# Altium PCB orbital-r1.PcbDoc (part 1 of 3)
Units mm, origin at the board's own origin, x right, y up, seen from the top; angles counter-clockwise.
Board outline 86.5 x 91 mm, 4 copper layers (Top Layer, Layer 1, Layer 2, Bottom Layer), stack 1.586 mm thick; 276 components, 177 nets, 792 pads, 856 vias.
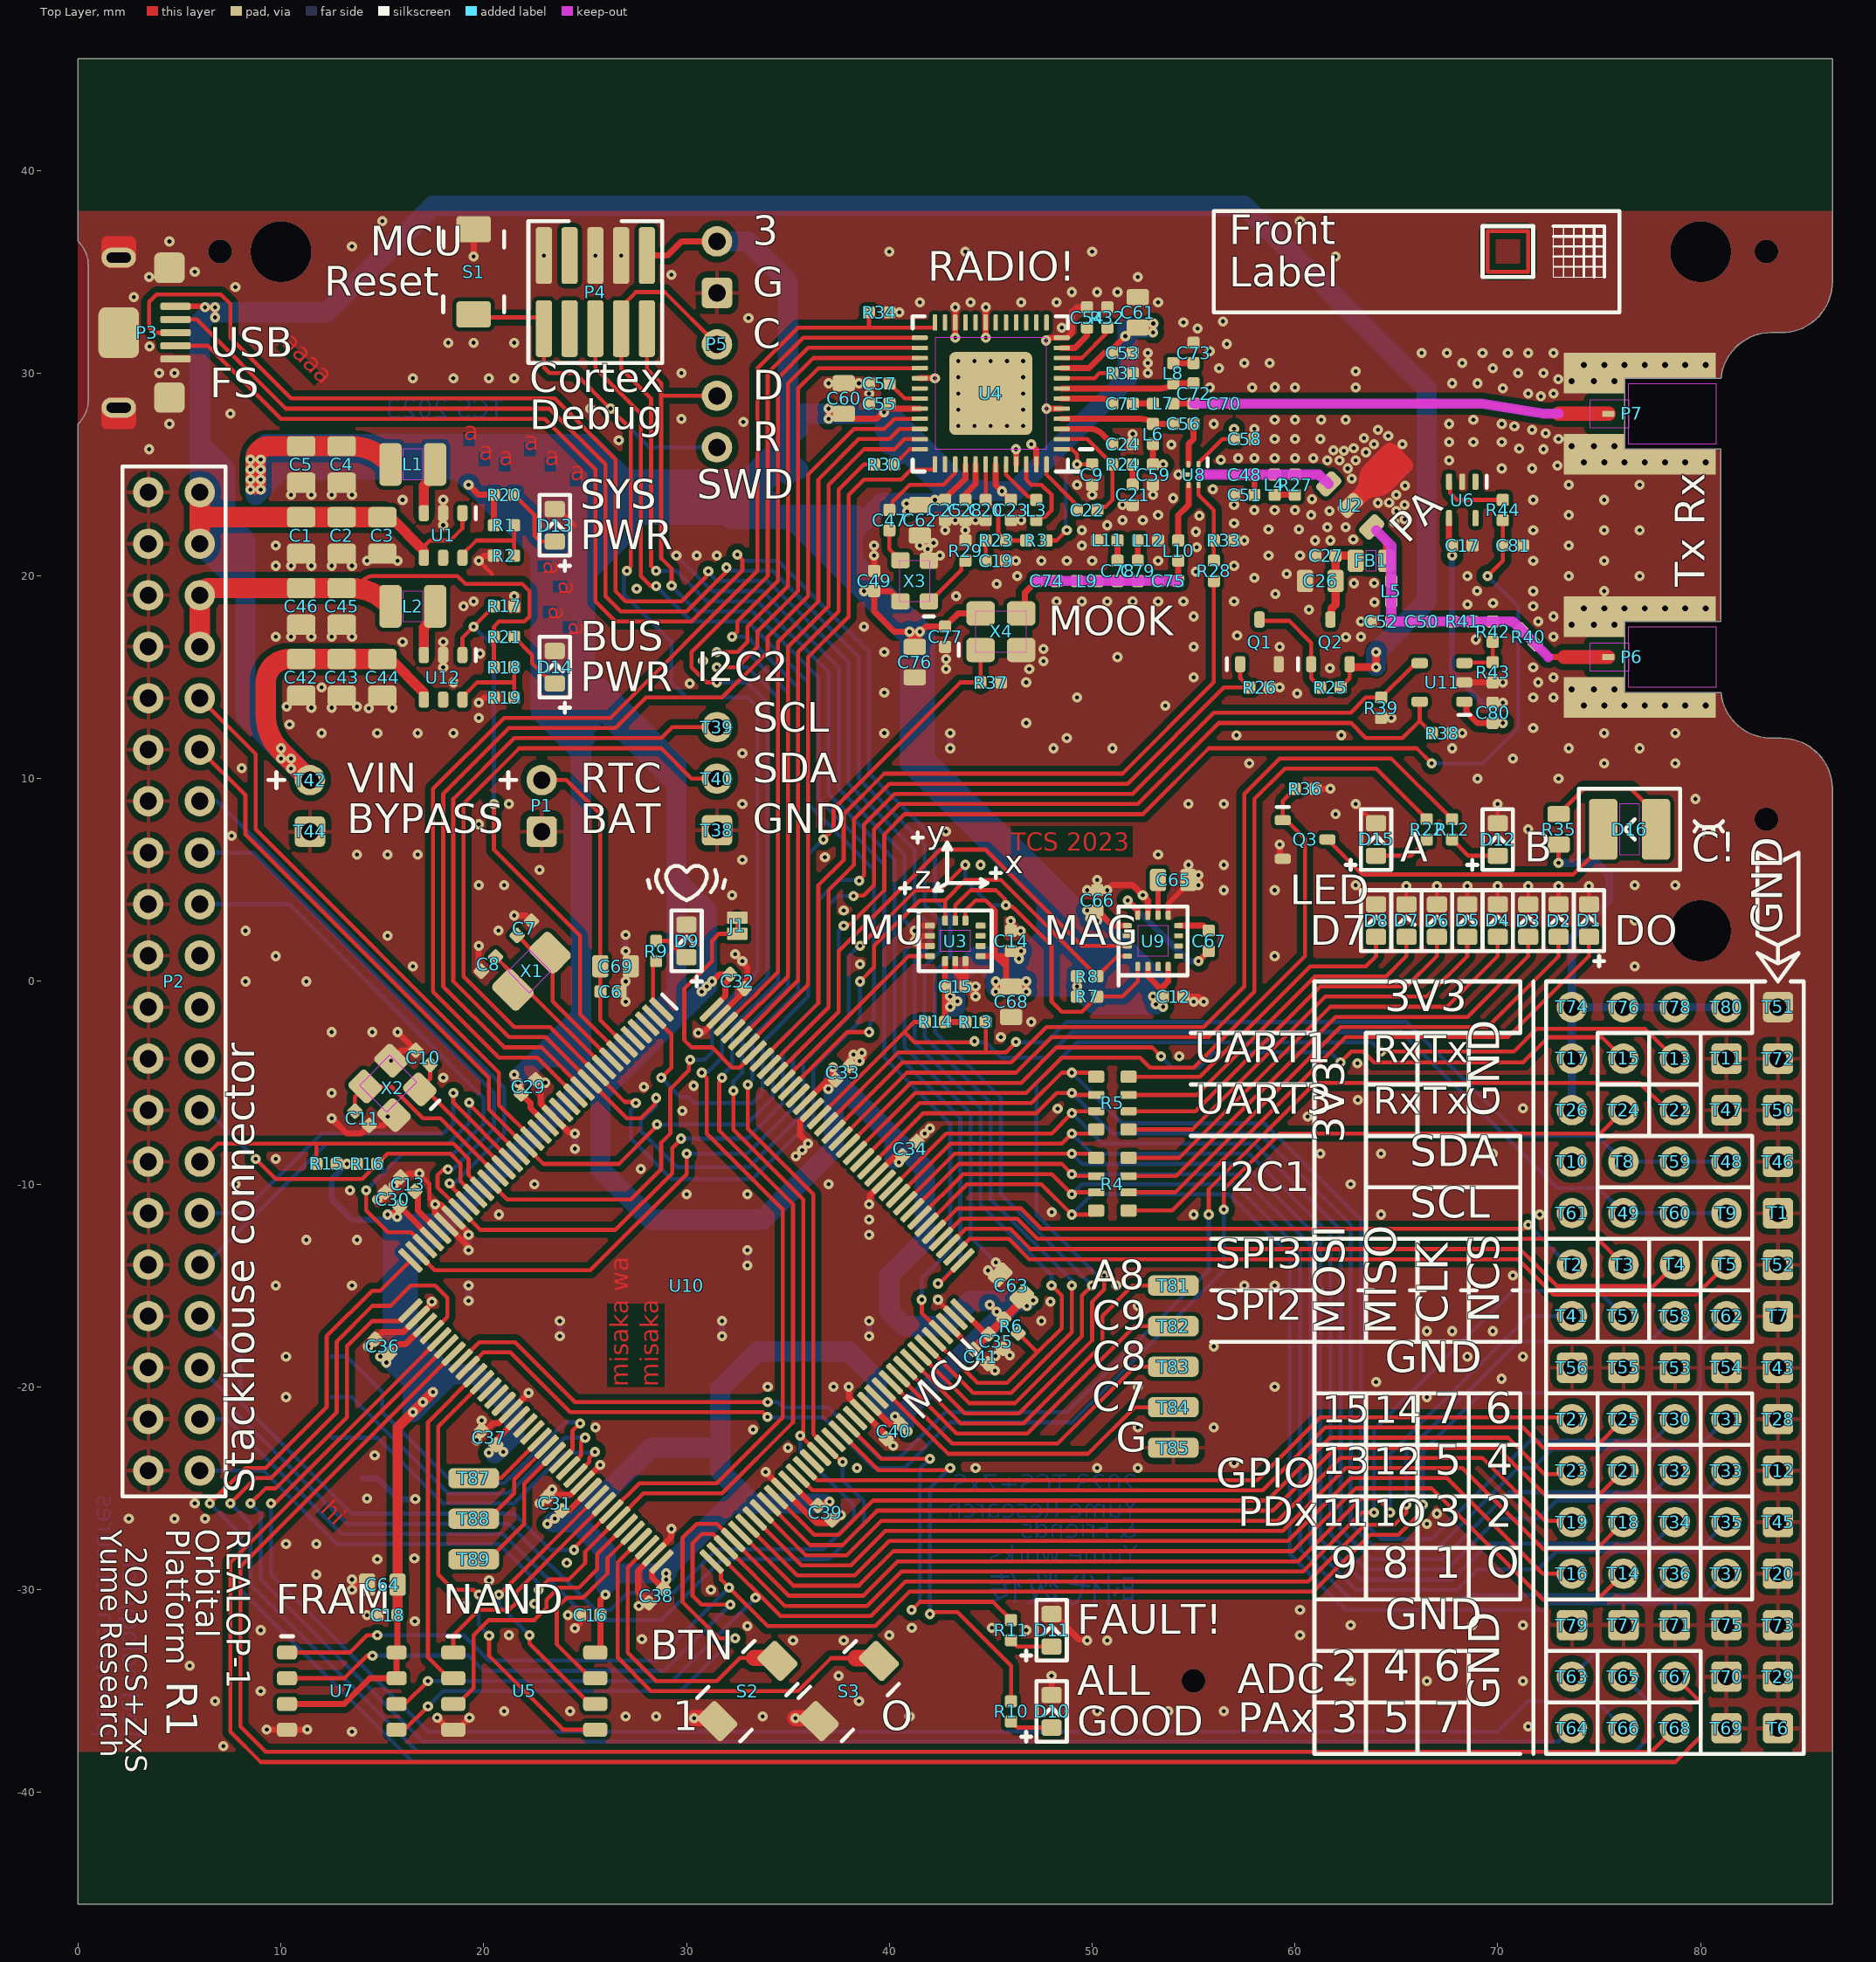
[diagram p0: Top Layer view]
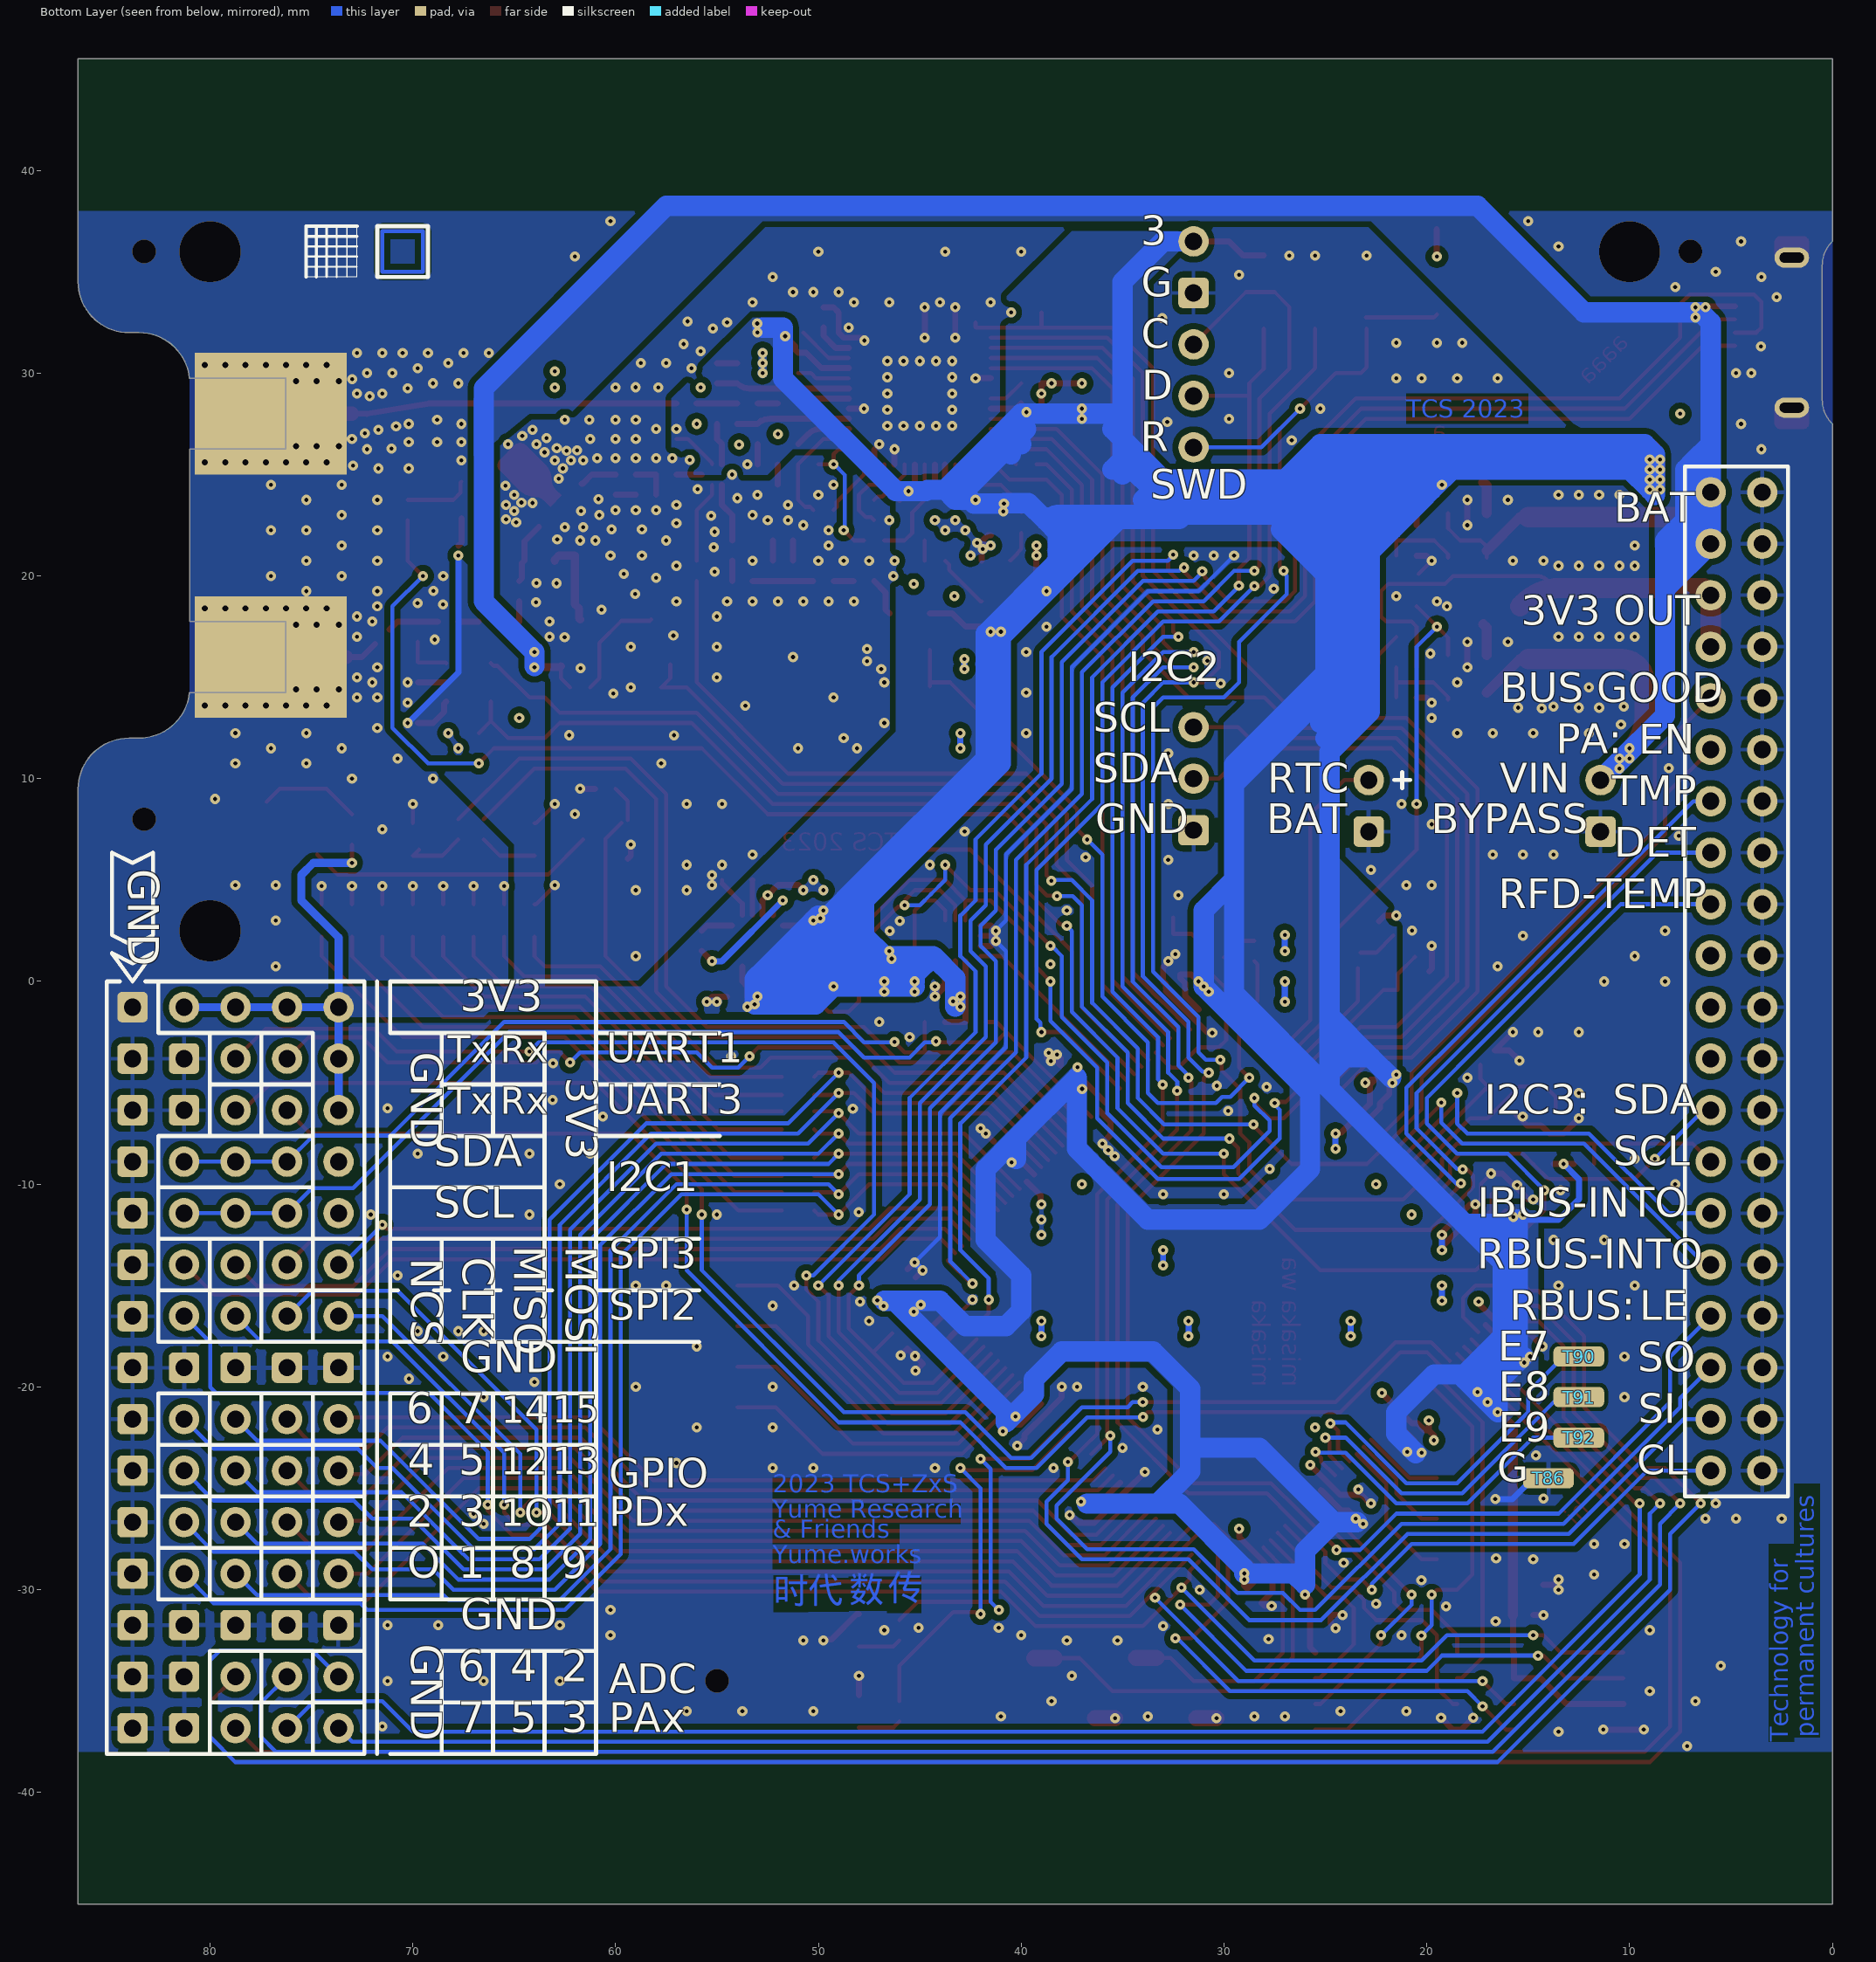
[diagram p1: Bottom Layer view, seen from below]
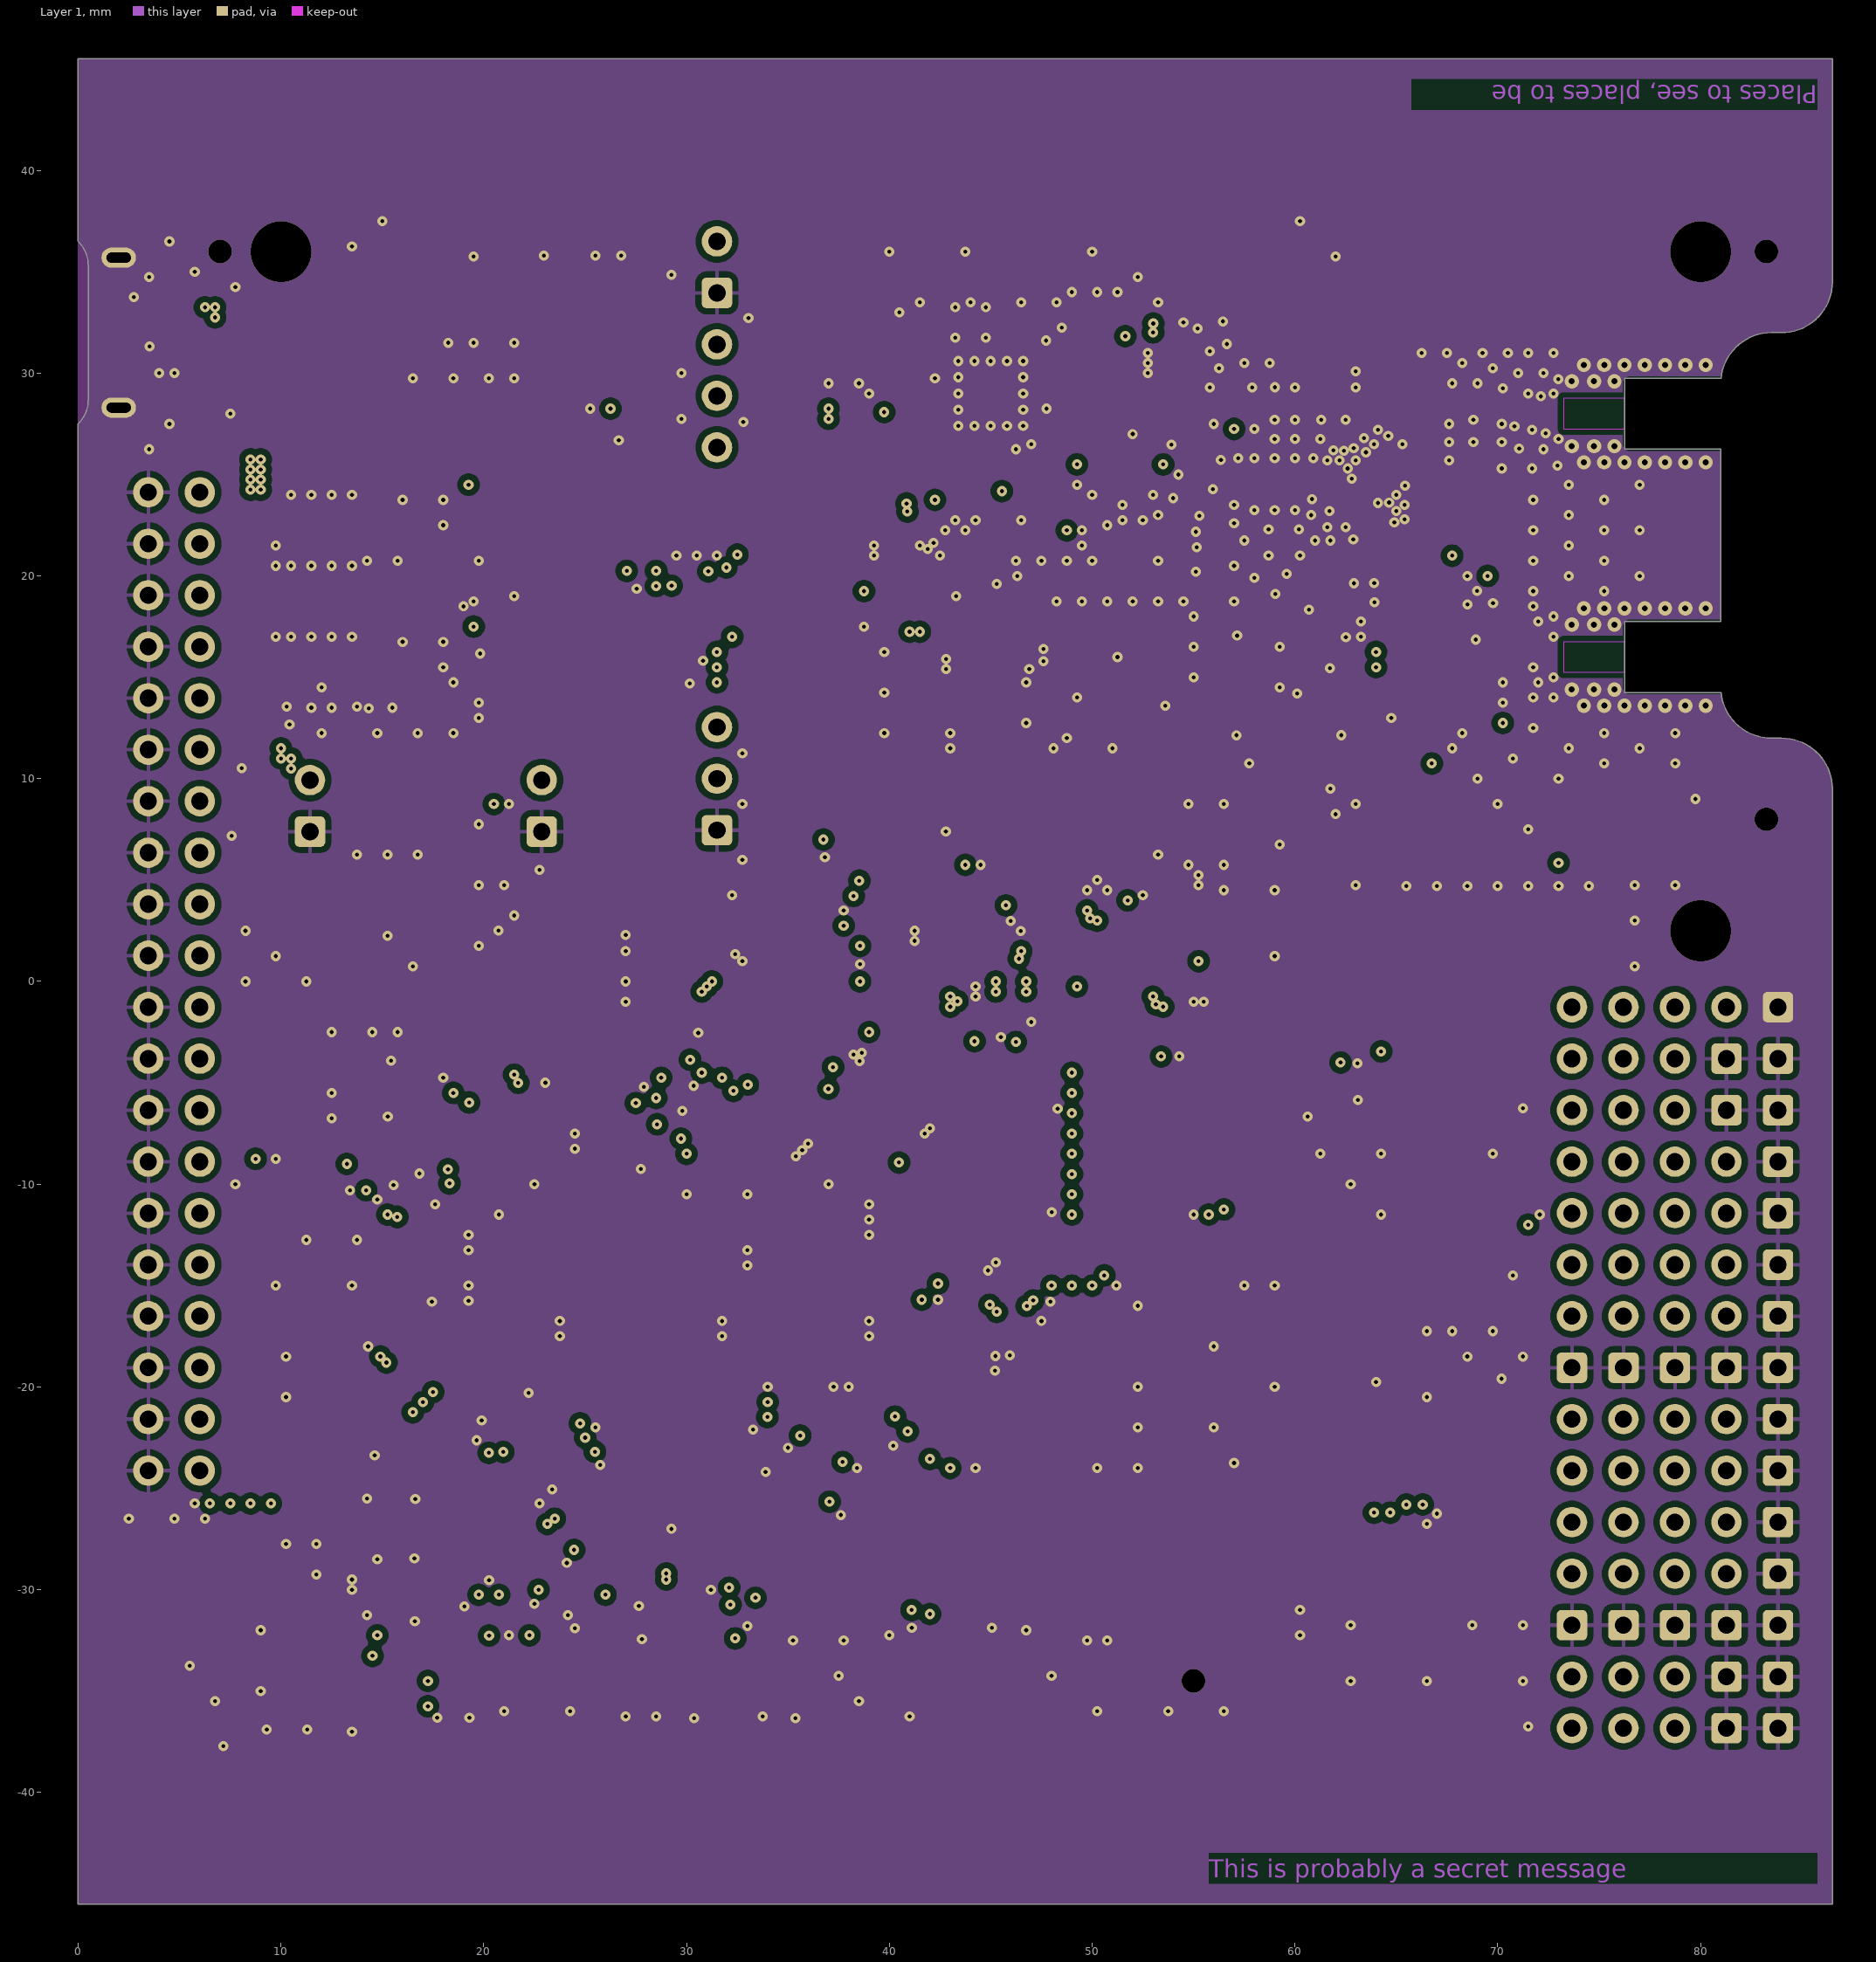
[diagram p2: Layer 1]
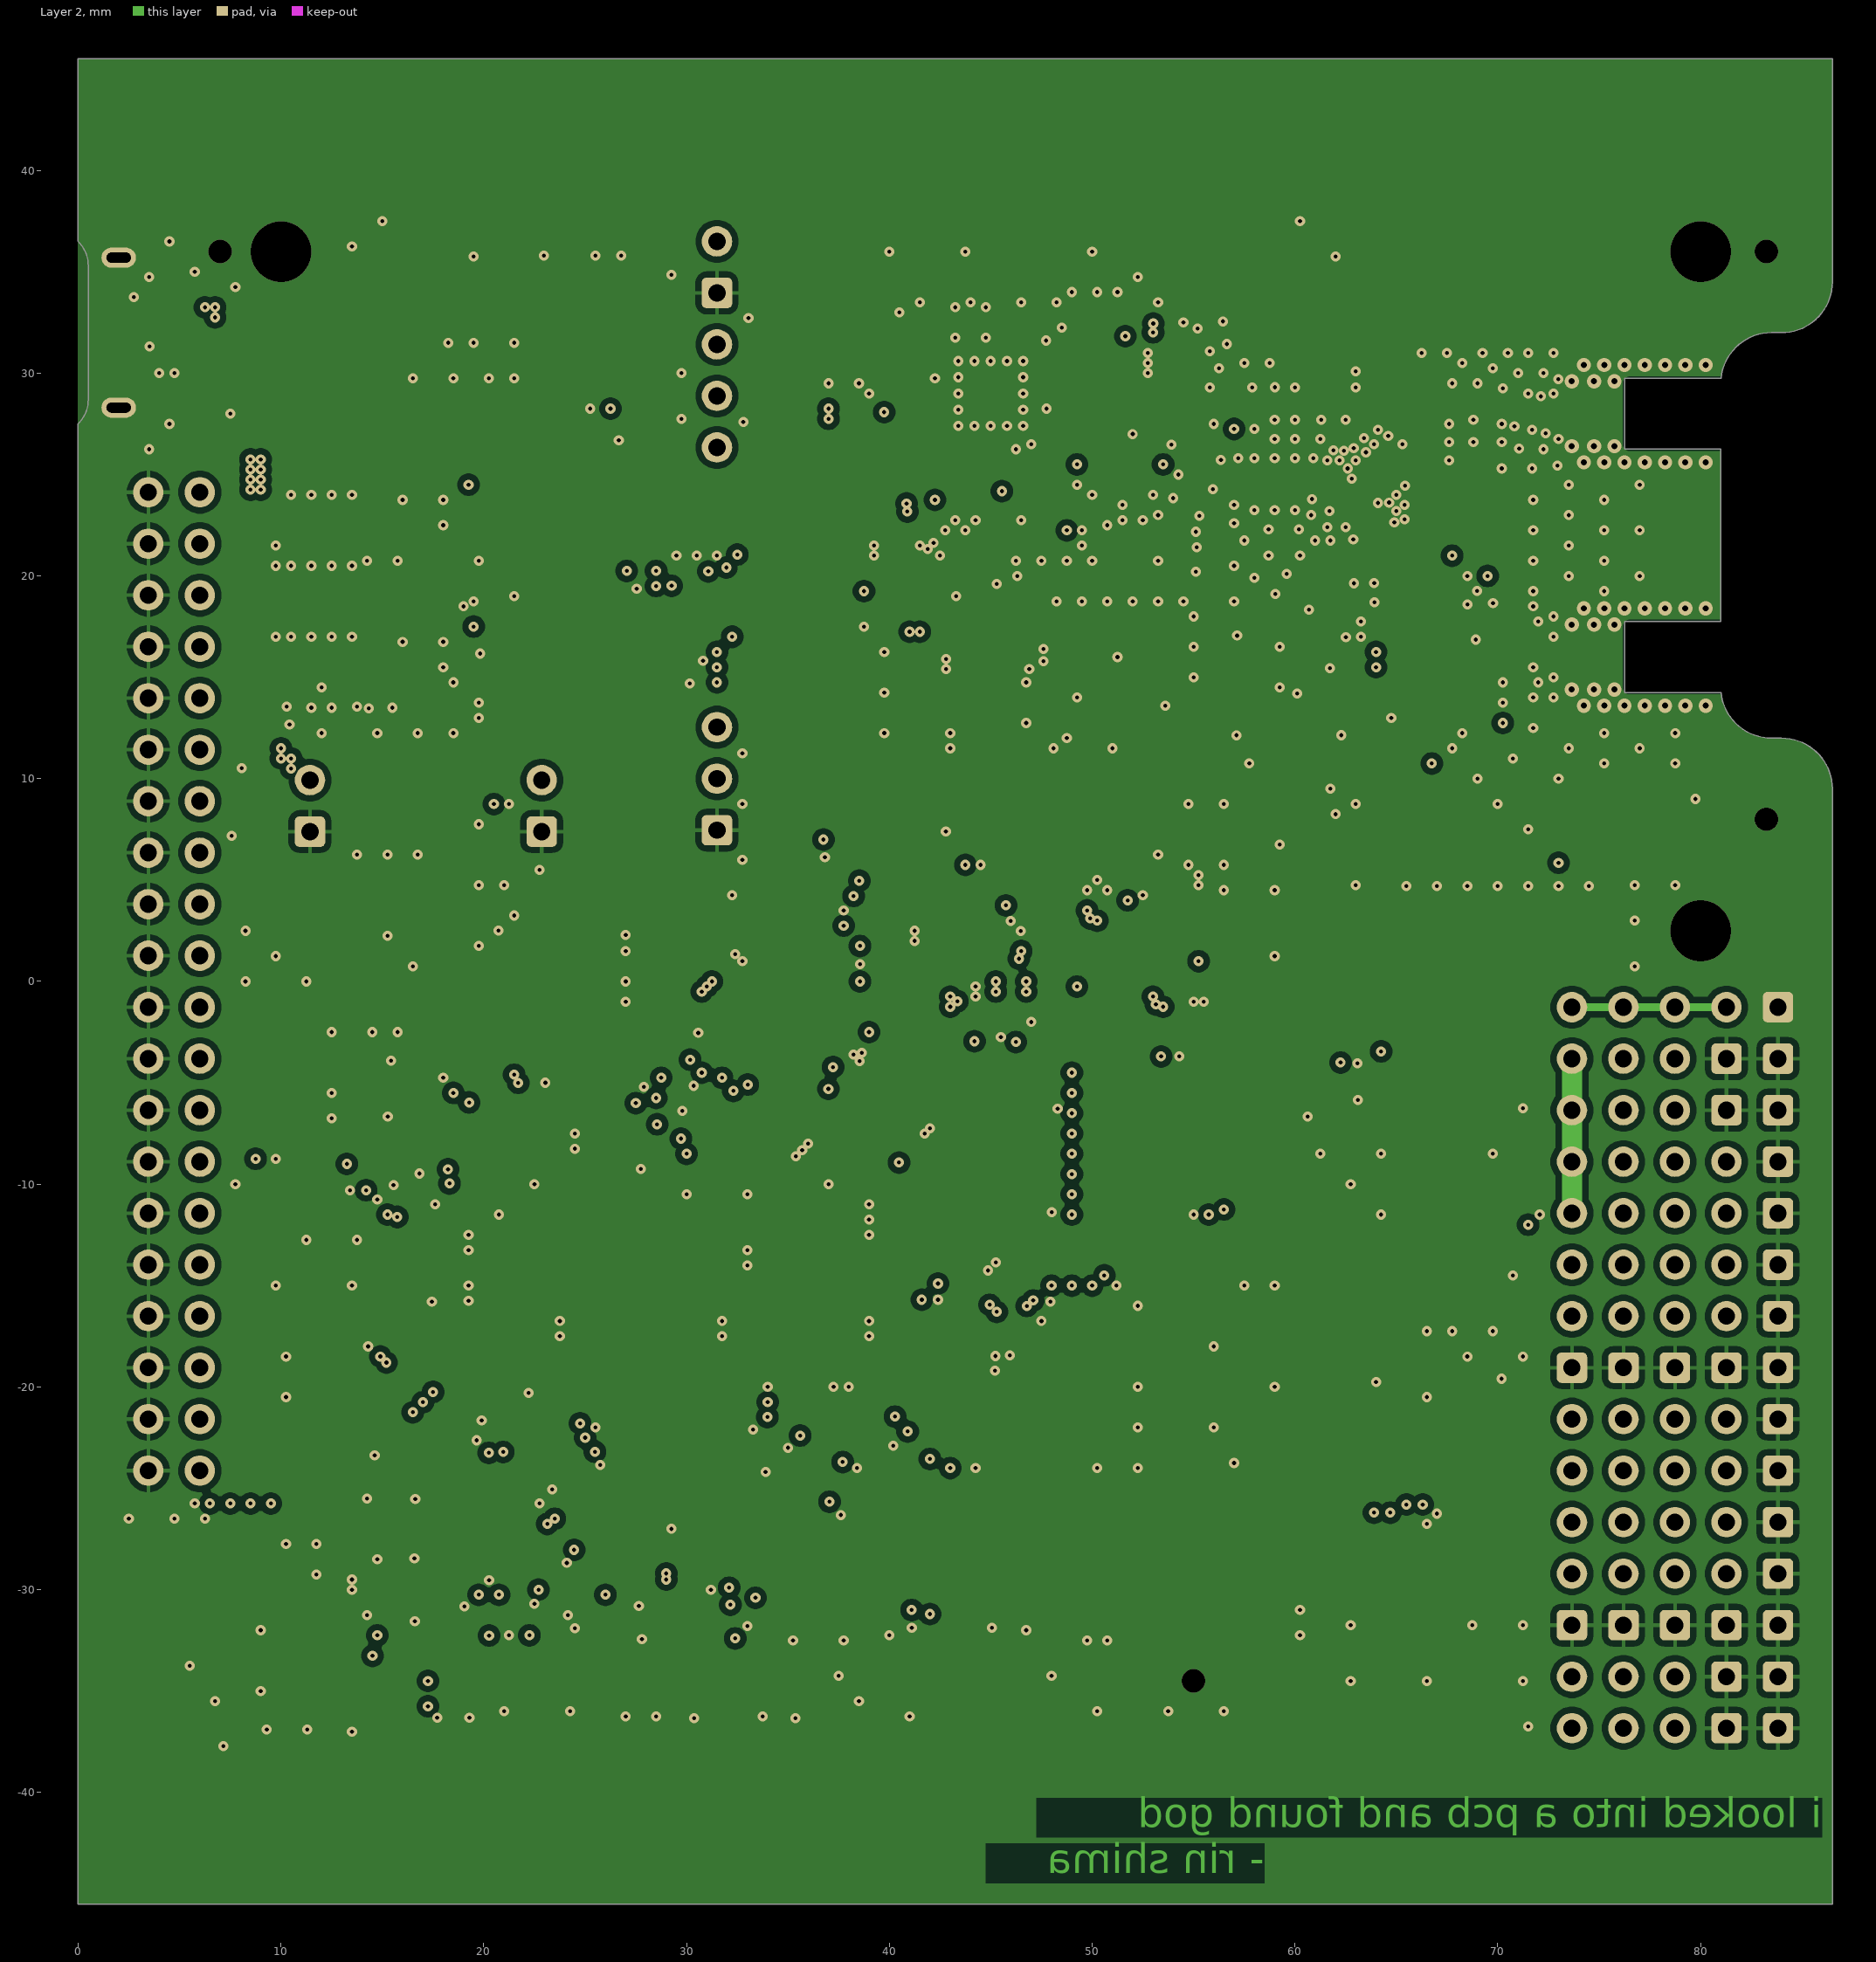
[diagram p3: Layer 2]

## Layer stack, top to bottom
Top Solder: solder mask 0.01, Solder Resist, Dk 3.5
Top Layer: signal copper 0.035
Dielectric 2: prepreg 0.2104, PP-023, Dk 4.1
Layer 1: signal copper 0.0152
Dielectric 1: dielectric 1.065, FR-4, Dk 4.8
Layer 2: signal copper 0.0152
Dielectric 3: prepreg 0.2104, PP-023, Dk 4.1
Bottom Layer: signal copper 0.035
Bottom Solder: solder mask 0.01, Solder Resist, Dk 3.5

## Board outline
81.012,29.749 76.25,29.749 76.25,26.25 81,26.25 81,17.75 76.25,17.75 76.25,14.25 81.012,14.251 ccw(c83.5,14.5) 83.5,12 84,12 cw(c84,9.5) 86.5,9.5 86.5,-45.5 0,-45.5 0,27.5 ccw(c-1.207,28.707) 0.5,28.707 0.5,35.293 ccw(c-1.207,35.293) 0,36.5 0,45.5 86.5,45.5 86.5,34.5 cw(c84,34.5) 84,32 83.5,32 ccw(c83.5,29.5)
